# Altium PCB Copy of GameBoard_V1I1_083018.PcbDoc (part 15 of 21) (continued)
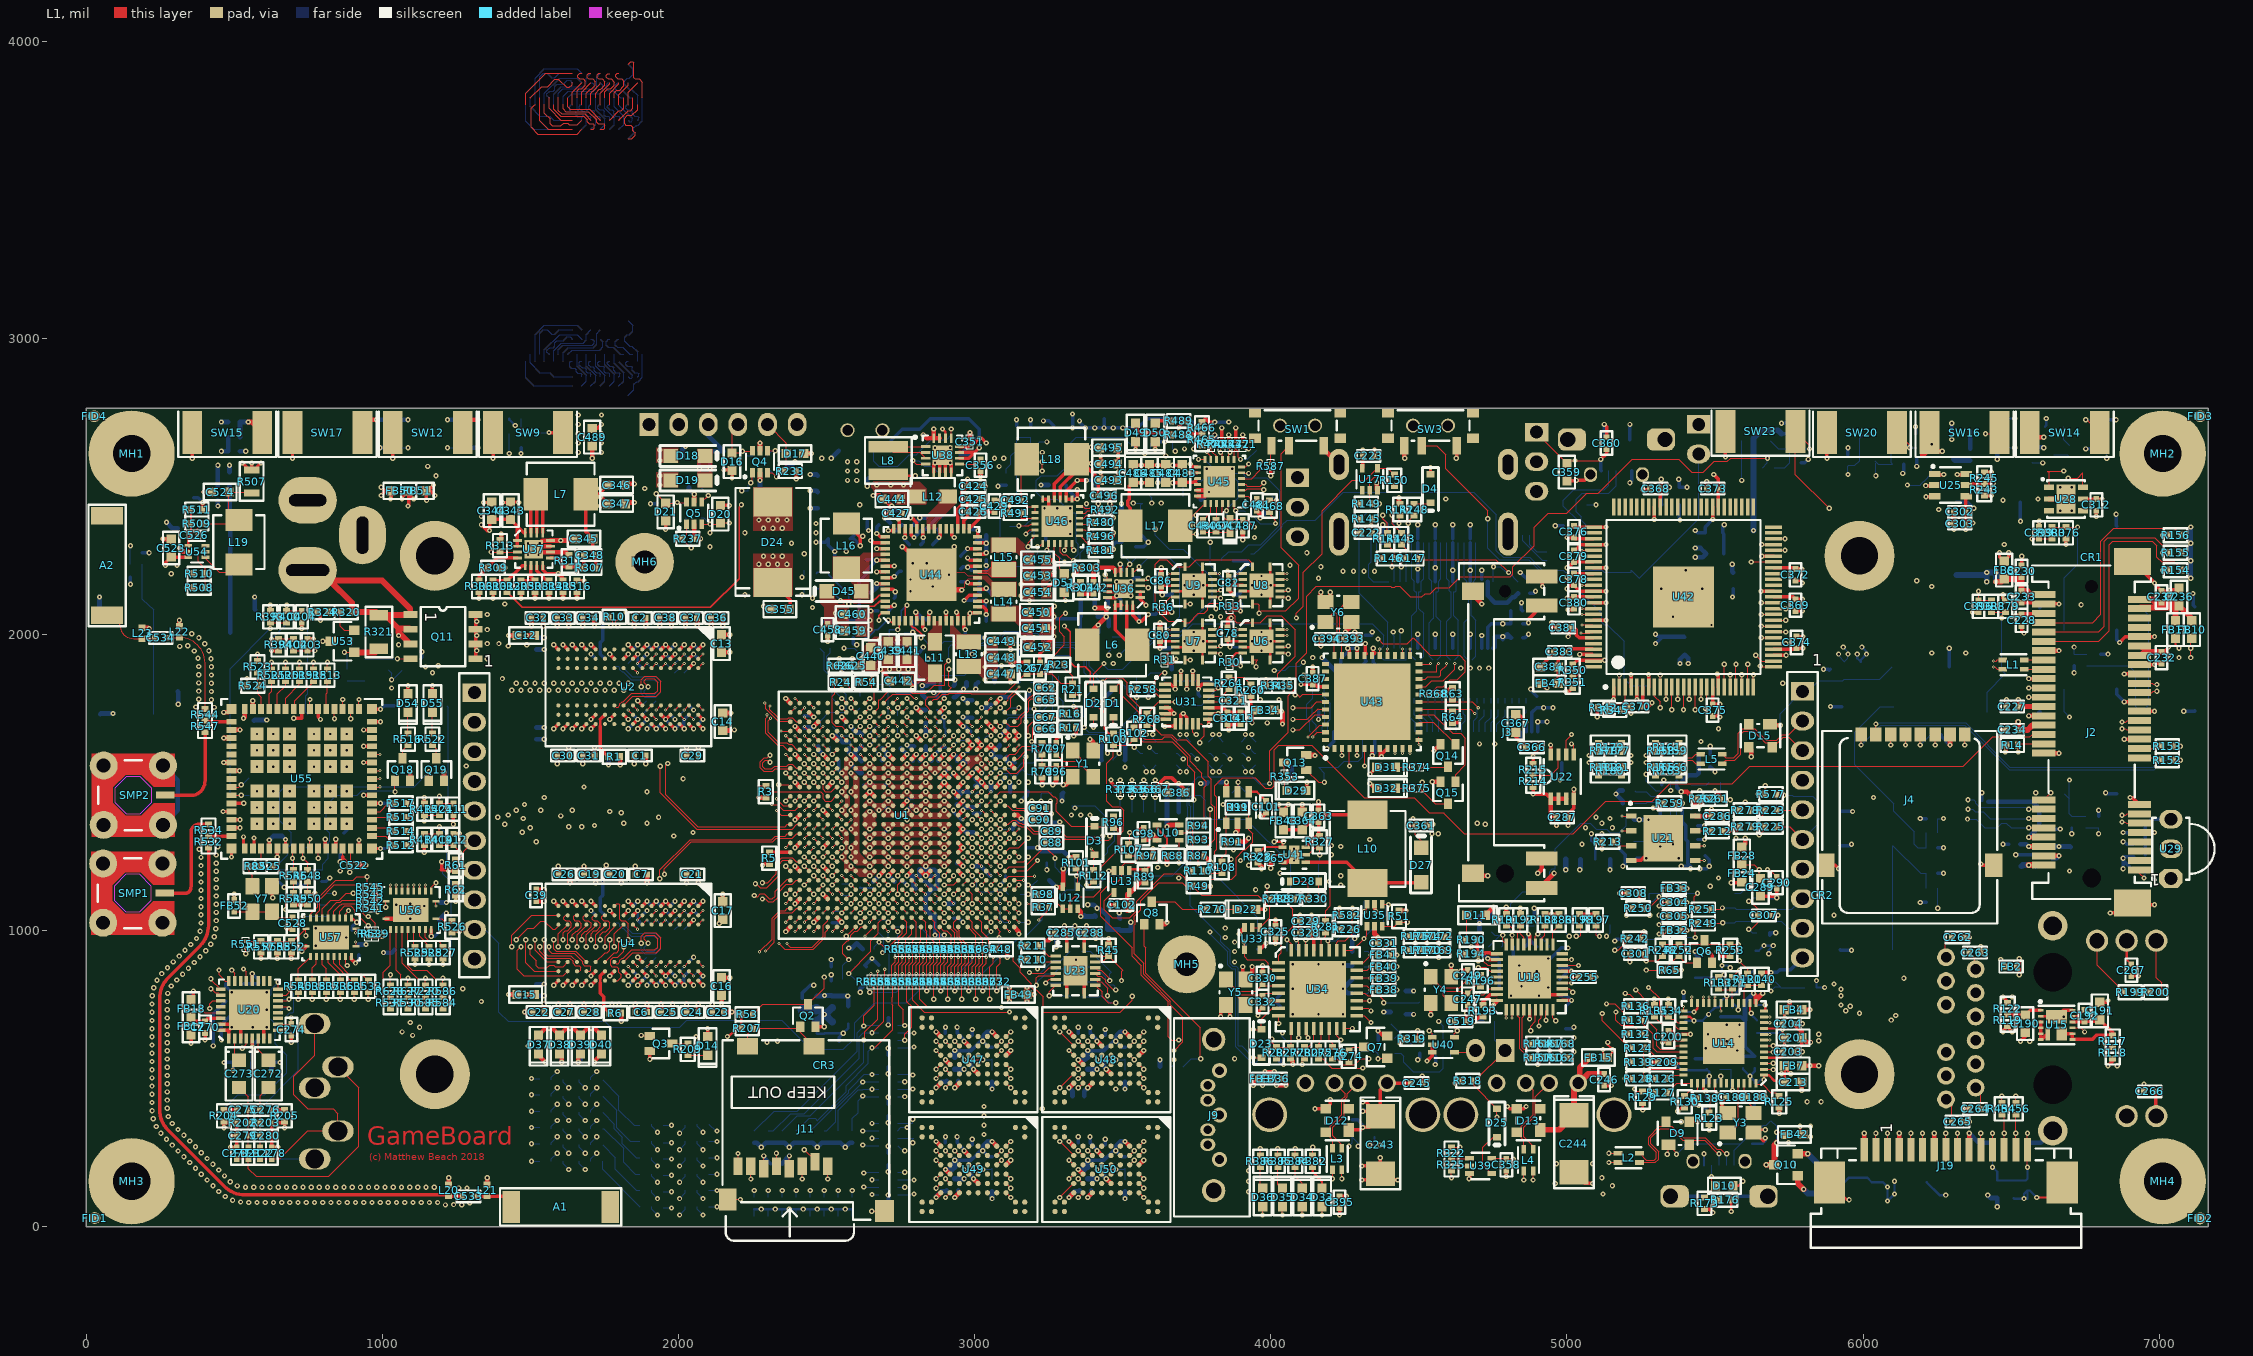
[diagram p0: L1 view]
## Nets (pads, with @x,y where several pads share a name; then routed paths per layer and width w, separated by ;. In a path a pad name is that pad's centre, name@x,y a point inside that pad or via, vN(x,y) a via of type N, cw(c..) or ccw(c..) an arc to the next point about the centre after c; other vN are vias at no path point) (continued)
LCD_B3: LCD1.24 R334.2 | length 88.9
  L12 w3.66: R334.2@4413.39,1745.47 4413.39,1736.22 4448.82,1700.79 LCD1.24@4448.82,1671.26
LCD_B4: LCD1.25 R335.2 | length 90.5
  L12 w3.66: R335.2@4389.76,1745.47 4389.76,1736.22 4429.13,1696.85 LCD1.25@4429.13,1671.26
LCD_B5: LCD1.26 R336.2 | length 92.2
  L12 w3.66: R336.2@4366.14,1745.47 4366.14,1736.22 4409.45,1692.91 LCD1.26@4409.45,1671.26
LCD_B6: LCD1.27 R337.2 | length 93.8
  L12 w3.66: R337.2@4342.52,1745.47 4342.52,1740.16 4389.76,1692.91 LCD1.27@4389.76,1671.26
LCD_B7: LCD1.28 R338.2 | length 95.4
  L12 w3.66: R338.2@4318.9,1745.47 4370.08,1694.29 LCD1.28@4370.08,1671.26
LCD_CTP_INT#: CTP1.5 R365.1 R371.2 | length 87.4
  L1 w3.94: v1(3531.5,1448.82) R365.1@3531.5,1465.94
  L12 w3.94: CTP1.5@3531.5,1399.61 R371.2@3531.5,1469.88
LCD_CTP_RST#: CTP1.6 R372.2 R373.2 | length 87.4
  L1 w3.94: v1(3492.13,1448.82) R373.2@3492.13,1465.94
  L12 w3.94: CTP1.6@3492.13,1399.61 3492.13,1455.51 R372.2@3492.13,1465.94 R372.2@3492.13,1469.88
LCD_CTP_SCL: CTP1.3 R367.1 R369.2 | length 87.4
  L1 w3.94: v1(3610.24,1448.82) R367.1@3610.24,1465.94
  L12 w3.94: CTP1.3@3610.24,1399.61 3610.24,1455.51 R369.2@3610.24,1469.88
LCD_CTP_SDA: CTP1.4 R366.1 R370.2 | length 87.4
  L1 w3.94: v1@3570.87,1447.44 R366.1@3570.87,1464.57
  L12 w3.94: CTP1.4@3570.87,1399.61 3570.87,1455.51 R370.2@3570.87,1469.88
  other v1: 3570.87,1448.82
LCD_DE: LCD1.34 R361.2 | length 84.4
  L12 w3.66: R361.2@4224.41,1735.04 4224.41,1712.6 4232.28,1704.72 4248.03,1704.72 4251.97,1700.79 LCD1.34@4251.97,1671.26
LCD_G0: LCD1.13 R339.2 | length 77.5
  L12 w3.66: LCD1.13@4665.35,1671.26 4665.35,1708.66 4673.23,1716.54 R339.2@4673.23,1745.47
LCD_G1: LCD1.14 R340.2 | length 82.4
  L12 w3.66: LCD1.14@4645.67,1671.26 4645.67,1695.87 4657.48,1707.68 4657.48,1724.41 4649.61,1732.28 R340.2@4649.61,1745.47
LCD_G2: LCD1.15 R341.2 | length 80.7
  L12 w3.66: LCD1.15@4625.98,1671.26 4625.98,1696.85 4618.11,1704.72 4618.11,1724.41 4625.98,1732.28 R341.2@4625.98,1745.47
LCD_G3: LCD1.16 R343.2 | length 75.8
  L12 w3.66: R343.2@4602.36,1745.47 4602.36,1724.41 4606.3,1720.47 LCD1.16@4606.3,1671.26
LCD_G4: LCD1.17 R344.2 | length 77.5
  L12 w3.66: R344.2@4578.74,1745.47 4578.74,1720.47 4586.61,1712.6 LCD1.17@4586.61,1671.26
LCD_G5: LCD1.18 R346.2 | length 79.1
  L12 w3.66: R346.2@4555.12,1745.47 4555.12,1720.47 4566.93,1708.66 LCD1.18@4566.93,1671.26
LCD_G6: LCD1.19 R347.2 | length 80.7
  L12 w3.66: R347.2@4531.5,1745.47 4531.5,1724.41 4547.24,1708.66 LCD1.19@4547.24,1671.26
LCD_G7: LCD1.20 R349.2 | length 82.4
  L12 w3.66: R349.2@4507.87,1745.47 4507.87,1724.41 4527.56,1704.72 LCD1.20@4527.56,1671.26
LCD_HDMI_CLK_N: U7.12 U42.94 | length 1395.4
  L1 w3.94: U7.12@3803.15,1996.06 3819.88,1996.06 3827.76,2003.94 v3(3834.65,2003.94) ; v3(5047.24,2003.94) 5077.76,2003.94 5081.69,2007.87 5085.63,2003.94 U42.94@5089.57,2007.87
  L3 w3.94: v4(3846.46,2015.75) 3862.2,2031.5 3862.2,2032.48 3875.52,2032.48 3878.47,2035.43 3996.06,2035.43 4055.12,1976.38 4090.55,1976.38 4140.1,2025.93 4357.59,2025.93 4385.8,2054.13 4462.19,2054.13 4463.18,2055.12 4746.83,2055.12 4757.66,2065.94 4796.1,2065.94 4806.93,2055.12 4845.88,2055.12 4846.86,2054.13 4954.93,2054.13 4977.57,2031.5 5019.69,2031.5 v4(5031.5,2019.68)
  L2 w3.94: v3(3834.65,2003.94) v4(3846.46,2015.75) ; v4(5031.5,2019.68) v3(5047.24,2003.94)
LCD_HDMI_CLK_P: U7.13 U42.93 | length 1383.6
  L1 w3.94: U7.13@3803.15,2015.75 3805.12,2017.72 3820.87,2017.72 v3(3834.65,2031.5) ; v3(5051.18,2031.5) 5085.63,2031.5 U42.93@5089.57,2027.56
  L3 w3.94: v4@3850.39,2043.31 3857.07,2043.31 3860.03,2040.35 3872.26,2040.35 3875.21,2043.31 3999.32,2043.31 4058.38,1984.25 4087.29,1984.25 4136.84,2033.8 4354.33,2033.8 4382.54,2062.01 4458.93,2062.01 4459.91,2062.99 4743.57,2062.99 4754.4,2073.82 4799.36,2073.82 4810.19,2062.99 4849.14,2062.99 4850.13,2062.01 4958.2,2062.01 4980.83,2039.37 5027.56,2039.37 v4(5035.43,2047.24)
  L2 w3.94: v3(3834.65,2031.5) v4(3846.46,2043.31) ; v4(5035.43,2047.24) v3(5051.18,2031.5)
LCD_HDMI_D0_N: U6.12 U42.91 | length 1203
  L1 w3.94: U6.12@4031.5,1996.06 v3(4055.12,1996.06) ; v3(5051.18,2066.93) U42.91@5089.57,2066.93
  L3 w3.94: v4(4074.8,1996.06) 4129.92,2051.18 4333.97,2051.18 4349.72,2066.93 4365.47,2082.68 4477.33,2082.68 4506.12,2111.47 4552.41,2111.47 4574.8,2133.86 4732.28,2133.86 4754.92,2111.22 4830.5,2111.22 4840.34,2121.06 4852.57,2121.06 4875.21,2098.43 4948.82,2098.43 4992.13,2055.12 5027.44,2055.12 5030.79,2058.46 5040.08,2058.46 5043.43,2055.12 5050.51,2055.12 5062.32,2066.93 v4(5070.87,2066.93)
  L2 w3.94: v3(4055.12,1996.06) v4(4074.8,1996.06) ; v3(5051.18,2066.93) v4(5070.87,2066.93)
LCD_HDMI_D0_P: U6.13 U42.90 | length 1203
  L1 w3.94: U6.13@4031.5,2015.75 v3(4055.12,2015.75) ; v3(5051.18,2086.61) U42.90@5089.57,2086.61
  L3 w3.94: v4(4074.8,2015.75) 4083.35,2015.75 4126.66,2059.06 4330.71,2059.06 4362.2,2090.55 4474.07,2090.55 4502.86,2119.34 4549.15,2119.34 4571.54,2141.73 4735.55,2141.73 4758.18,2119.09 4827.24,2119.09 4837.08,2128.94 4855.83,2128.94 4878.47,2106.3 4952.08,2106.3 4988.86,2069.52 4995.39,2062.99 5024.18,2062.99 5027.52,2066.34 5043.34,2066.34 5046.69,2062.99 5047.24,2062.99 v4(5070.87,2086.61)
  L2 w3.94: v3(4055.12,2015.75) v4(4074.8,2015.75) ; v3(5051.18,2086.61) v4(5070.87,2086.61)
LCD_HDMI_D1_N: U9.12 U42.86 | length 1506.9
  L1 w3.94: U9.12@3803.15,2185.04 v3(3826.77,2185.04) ; v3(5051.18,2165.35) U42.86@5089.57,2165.35
  L3 w3.94: v4(3807.09,2185.04) 3807.09,2188.86 3818.31,2200.08 3818.31,2212.68 3836.28,2230.65 4001.63,2230.65 4078.74,2153.54 4142.72,2089.57 4329.05,2089.57 4341.84,2102.36 4353.66,2114.17 4428.46,2114.17 4484.25,2169.97 4484.25,2173.23 4782.79,2173.23 4794.6,2185.04 4869.4,2185.04 4875.65,2191.28 4957.65,2191.28 4979.64,2169.29 5066.93,2169.29 v4(5070.87,2165.35)
  L2 w3.94: v4(3807.09,2185.04) v3(3826.77,2185.04) ; v3(5051.18,2165.35) v4(5070.87,2165.35)
LCD_HDMI_D1_P: U9.13 U42.85 | length 1500.5
  L1 w3.94: U9.13@3803.15,2204.72 v3(3826.77,2204.72) ; v3(5051.18,2185.04) U42.85@5089.57,2185.04
  L3 w3.94: v4(3807.09,2204.72) 3807.09,2212.6 3833.01,2238.53 4004.89,2238.53 4145.98,2097.44 4325.79,2097.44 4350.39,2122.05 4425.2,2122.05 4476.38,2173.23 4476.38,2176.49 4480.99,2181.1 4779.53,2181.1 4791.34,2192.91 4866.14,2192.91 4872.38,2199.16 4960.91,2199.16 4979.64,2180.43 ; 4976.38,2177.17 5062.99,2177.17 v4(5070.87,2185.04)
  L2 w3.94: v4(3807.09,2204.72) v3(3826.77,2204.72) ; v3(5051.18,2185.04) v4(5070.87,2185.04)
LCD_HDMI_D2_N: U8.12 U42.81 | length 1285.9
  L1 w3.94: U8.12@4031.5,2185.04 v3(4055.12,2185.04) ; v3(5051.18,2263.78) U42.81@5089.57,2263.78
  L3 w3.94: v4(4074.8,2185.04) 4083.35,2185.04 4154.22,2114.17 4302.47,2114.17 4318.22,2129.92 4330.03,2141.73 4361.53,2141.73 4398.62,2178.83 4398.62,2179.34 4409.45,2190.17 4409.45,2244.09 4472.44,2307.09 4692.91,2307.09 4704.72,2295.28 4720.47,2295.28 4783.46,2232.28 4845.78,2232.28 4878.91,2265.41 4975.07,2265.41 4977.38,2267.72 5066.93,2267.72 v4(5070.87,2263.78)
  L2 w3.94: v3(4055.12,2185.04) v4(4074.8,2185.04) ; v3(5051.18,2263.78) v4(5070.87,2263.78)
LCD_HDMI_D2_P: U8.13 U42.80 | length 1292.4
  L1 w3.94: U8.13@4031.5,2204.72 v3(4055.12,2204.72) ; v3(5051.18,2283.46) U42.80@5089.57,2283.46
  L3 w3.94: v4(4074.8,2204.72) 4157.48,2122.05 4299.21,2122.05 4326.77,2149.61 4358.27,2149.61 4390.75,2182.09 4390.75,2182.61 4401.57,2193.43 4401.57,2247.36 4469.18,2314.96 4696.18,2314.96 4707.99,2303.15 4723.73,2303.15 4786.73,2240.16 4842.52,2240.16 4875.65,2273.28 4971.81,2273.28 4974.12,2275.59 4988.19,2275.59 5062.99,2275.59 v4(5070.87,2283.46)
  L2 w3.94: v3(4055.12,2204.72) v4(4074.8,2204.72) ; v3(5051.18,2283.46) v4(5070.87,2283.46)
LCD_HSYNC: LCD1.32 R363.2 | length 71.9
  L12 w3.66: R363.2@4271.65,1735.04 4271.65,1716.54 4291.34,1696.85 LCD1.32@4291.34,1671.26
LCD_PCLK: LCD1.30 R362.2 | length 87.7
  L12 w3.66: R362.2@4295.28,1735.04 4295.28,1720.47 4311.02,1704.72 4326.77,1704.72 4330.71,1700.79 LCD1.30@4330.71,1671.26
LCD_R0: LCD1.5 R352.2 | length 90.5
  L12 w3.66: LCD1.5@4822.83,1671.26 4822.83,1696.85 4862.21,1736.22 R352.2@4862.21,1745.47
LCD_R1: LCD1.6 R354.2 | length 88.9
  L12 w3.66: LCD1.6@4803.15,1671.26 4803.15,1696.85 4838.58,1732.28 R354.2@4838.58,1745.47
LCD_R2: LCD1.7 R355.2 | length 87.3
  L12 w3.66: LCD1.7@4783.46,1671.26 4783.46,1696.85 4814.96,1728.35 R355.2@4814.96,1745.47
LCD_R3: LCD1.8 R356.2 | length 85.6
  L12 w3.66: LCD1.8@4763.78,1671.26 4763.78,1696.85 4791.34,1724.41 R356.2@4791.34,1745.47
LCD_R4: LCD1.9 R357.2 | length 84
  L12 w3.66: LCD1.9@4744.09,1671.26 4744.09,1700.79 4767.72,1724.41 R357.2@4767.72,1745.47
LCD_R5: LCD1.10 R358.2 | length 82.4
  L12 w3.66: LCD1.10@4724.41,1671.26 4724.41,1700.79 4744.1,1720.47 R358.2@4744.1,1745.47
LCD_R6: LCD1.11 R359.2 | length 80.7
  L12 w3.66: LCD1.11@4704.72,1671.26 4704.72,1708.66 4720.47,1724.41 R359.2@4720.47,1745.47
LCD_R7: LCD1.12 R360.2 | length 79.1
  L12 w3.66: LCD1.12@4685.04,1671.26 4685.04,1708.66 4696.85,1720.47 R360.2@4696.85,1745.47
LCD_SHUTOFF#: R348.1 R589.1 SW3.2 | length 1294.1
  L1 w3.94: SW3.2@4509.84,2635.83 4561.02,2635.83 4590.55,2606.3 4590.55,2559.06 4732.28,2417.32 v1(4732.28,2389.76)
  L12 w3.94: v1(4732.28,2389.76) 4732.28,2291.34 4771.65,2251.97 4870.75,2251.97 4914.06,2208.66 4940.94,2208.66 4972.44,2177.17 5011.81,2177.17 5117.13,2071.85 5117.13,2041.13 5125.77,2032.48 5136.81,2032.48 5192.91,1976.38 5192.91,1850.39 R589.1@5216.54,1826.77 R348.1@5275.59,1826.77
LCD_VSYNC: LCD1.33 R364.2 | length 73.6
  L12 w3.66: R364.2@4248.03,1735.04 4248.03,1724.41 4271.65,1700.79 LCD1.33@4271.65,1671.26
LCD_XTALIN: C393.2 U43.32 Y6.3 | length 209.1
  L1 w3.66: U43.32@4240.16,1929.13 4240.16,1996.06 4232.28,2003.94 4232.28,2086.61 4253.94,2108.27 Y6.3@4271.65,2108.27
LCD_XTALOUT: C394.2 U43.33 Y6.1 | length 201.8
  L1 w3.66: Y6.1@4185.04,2041.34 4185.04,2047.24 4212.6,2074.8 4216.54,2074.8 4224.41,2066.93 4224.41,2003.94 4214.57,1994.09 U43.33@4214.57,1929.13
LED1: R121.1 R133.1 U14.17 | length 91.3
  L1 w3.94: R133.1@5511.81,799.21 5559.06,799.21 U14.17@5559.06,755.12
LED2: R120.1 R140.2 U14.15 | length 112
  L1 w3.94: U14.15@5598.43,755.12 5598.43,803.15 R120.1@5610.24,814.96 R140.2@5657.48,814.96
LED_A: C361.1 C362.1 D27.1 LCD1.2 | length 936.3
  L1 w3.94: v1(4464.57,1350.39) 4468.5,1354.33 C361.1@4488.19,1354.33 ; v1(4480.31,1377.95) 4488.19,1370.08 C361.1@4488.19,1354.33 ; D27.1@4507.87,1278.54 4507.87,1303.15 4488.19,1322.83 C361.1@4488.19,1354.33
  L7 (PWR) w3.94: v1(4480.31,1377.95) 4487.2,1377.95 4706.69,1597.44 4850.39,1597.44 4952.76,1699.8 v1(4952.76,1751.97)
  L12 w11.81: LCD1.2@4881.89,1671.26 4881.89,1736.22 C362.1@4897.64,1751.97 v1(4921.26,1751.97) v1(4952.76,1751.97)
LED_K: LCD1.1 R328.2 U41.1 | length 1293.5
  L1 w7.87: R328.2@3956.69,1267.72 3966.54,1267.72 3980.31,1281.5 U41.1@4039.57,1281.5 4039.57,1295.47 v1(4043.31,1299.21) v1(4011.81,1299.21)
  L7 (PWR) w7.87: v1(4011.81,1299.21) 4173.23,1299.21 4562.01,1687.99 4869.14,1687.99 4885.87,1704.72 v1(4901.57,1704.72) v1(4933.07,1704.72)
  L12 w11.81: LCD1.1@4901.57,1671.26 v1(4901.57,1704.72) v1(4933.07,1704.72)
LED_MPCIE_WLAN: J2.44 R155.1 | length 786.2
  L1 w3.94: J2.44@6610.24,2007.87 6795.28,2007.87 6814.96,2027.56 6814.96,2314.96 6826.77,2326.77 6984.25,2326.77 7007.87,2303.15 7047.24,2303.15 R155.1@7074.8,2275.59
LED_MPCIE_WPAN: J2.46 R156.1 | length 751.7
  L1 w3.94: J2.46@6610.24,2039.37 6775.59,2039.37 6803.15,2066.93 6803.15,2314.96 6846.46,2358.27 7051.18,2358.27 R156.1@7074.8,2334.65
LED_MPCIE_WWAN: J2.42 R154.1 | length 841.6
  L1 w3.94: J2.42@6610.24,1976.38 6795.28,1976.38 6830.71,2011.81 6830.71,2303.15 6842.52,2314.96 6976.38,2314.96 6992.13,2299.21 6992.13,2259.84 7007.87,2244.09 7051.18,2244.09 7074.8,2220.47 R154.1@7074.8,2216.54
LED_SW: D27.2 L10.2 U41.4 | length 419.6
  L1 w11.81: U41.4@4117.91,1230.31 4257.05,1230.31 L10.2@4326.77,1160.59 4506.06,1160.59 D27.2@4507.87,1162.4
"LOCAL_PWR / NON_REM0": R190.2 R194.2 U18.28 | length 116.6
  L1 w11.81: R190.2@4696.85,968.5 R194.2@4696.85,921.26 4721.58,921.26 4724.54,924.21 4740.03,924.21 4742.98,921.26 U18.28@4763.78,921.26
LVDS0_CLK_N: R462.1 U1.V4 | length 1552.2
  L1 w3.66: U1.V4@2598.43,1673.23 v2(2614.17,1688.98)
  L10 w3.94: v2(2614.17,1688.98) 2614.17,1699.59 2599.41,1714.36 2599.41,1726.59 2606.3,1733.48 2606.3,1748.71 2602.36,1752.64 2602.36,1767.04 2606.3,1770.98 2606.3,1776.11 2684.52,1854.33 2806.57,1854.33 2845.78,1854.33 2875.77,1824.34 2935.25,1824.34 2948.51,1837.6 2971.98,1837.6 2985.24,1824.34 2985.24,1813.98 3002.95,1796.26 3028.23,1796.26 3038.08,1806.1 3132.87,1806.1 3161.42,1834.65 3400.9,1834.65 3404.84,1830.71 3420.58,1814.96 3498.81,1814.96 3541.13,1772.64 3581.02,1772.64 3597.75,1755.91 3743.42,1755.91 3769.35,1729.98 3793.13,1729.98 3825.79,1697.32 v1(3825.79,1661.42)
  L12 w3.94: v1(3825.79,1661.42) 3825.79,1650.59 R462.1@3838.58,1637.8
LVDS0_CLK_P: R464.1 U1.V3 | length 1485.7
  L1 w3.66: U1.V3@2598.43,1704.73 v2(2614.17,1720.47)
  L10 w3.94: v2(2614.17,1720.47) 2614.17,1772.85 2687.78,1846.46 2842.52,1846.46 2872.51,1816.46 2938.51,1816.46 2951.77,1829.72 2968.71,1829.72 2977.36,1821.08 2977.36,1810.71 2999.69,1788.39 3031.5,1788.39 3041.34,1798.23 3136.14,1798.23 3164.68,1826.77 3397.64,1826.77 3417.32,1807.09 3495.54,1807.09 3537.87,1764.76 3577.76,1764.76 3594.49,1748.03 3740.16,1748.03 3766.09,1722.1 3789.86,1722.1 3814.96,1697.01 3814.96,1672.24 v1(3804.13,1661.42)
  L12 w3.94: R464.1@3791.34,1637.8 3804.13,1650.59 v1(3804.13,1661.42)
LVDS0_CLK_R_N: J19.11 R461.2 R462.2 | length 4342.1
  L1 w3.94: J19.11@6397.64,259.84 v1(6397.64,314.96)
  L3 w3.94: v1(3862.2,1578.74) 3878.94,1562.01 3959.03,1562.01 3972.03,1549 4250.98,1549 4259.63,1540.35 4271.86,1540.35 4280.51,1549 4280.51,1555.43 4314.96,1589.88 4314.96,1617.43 4332.76,1635.24 4515.78,1635.24 4527.56,1623.46 4527.56,1610.41 4526.97,1609.82 4526.97,1595.08 4708.66,1413.39 5058.38,1413.39 5058.38,1415.97 5067.6,1425.2 5080.65,1425.2 5085.26,1420.58 5152.87,1420.58 5160.07,1413.39 5219.8,1413.39 5228.35,1404.84 5228.35,1346.46 5263.78,1311.02 5345.94,1311.02 5348.89,1313.98 5367.64,1313.98 5370.6,1311.02 5401.57,1311.02 5425.2,1287.4 5487.51,1287.4 5558.38,1216.54 5593.81,1216.54 5652.87,1157.48 5881.21,1157.48 5889.09,1149.61 5933.07,1149.61 6062.32,1020.36 6384.48,1020.36 6440.95,963.89 6440.95,744.09 6504.92,680.12 6513.31,680.12 6521.96,671.47 6579.82,671.47 6672.55,578.74 6692.24,578.74 6732.28,538.69 6732.28,534.2 6740.16,526.32 6740.16,311.7 6664.68,236.22 6433.75,236.22 6429.13,240.83 6429.13,248.71 6405.51,272.33 6405.51,307.09 v1(6397.64,314.96)
  L12 w3.94: R461.2@3838.58,1598.43 3842.52,1598.43 v1(3862.2,1578.74)
LVDS0_CLK_R_P: J19.12 R463.2 R464.2 | length 4363.5
  L1 w3.94: J19.12@6437.01,259.84 v1(6437.01,314.96)
  L3 w3.94: v1(3814.96,1578.74) 3839.57,1554.13 3955.77,1554.13 3968.77,1541.13 4247.72,1541.13 4256.37,1532.48 4275.12,1532.48 4288.39,1545.74 4288.39,1552.17 4322.83,1586.61 4322.83,1614.17 4336.02,1627.36 4512.52,1627.36 4519.69,1620.2 4519.69,1613.68 4519.09,1613.09 4519.09,1591.82 4705.4,1405.51 5063.67,1405.51 5066.25,1408.1 5066.25,1412.71 5070.87,1417.32 5077.39,1417.32 5082,1412.71 5149.61,1412.71 5156.8,1405.51 5216.54,1405.51 5220.47,1401.57 5220.47,1343.2 5228.35,1335.32 5256.58,1307.09 5260.52,1303.15 5349.2,1303.15 5352.15,1306.1 5364.38,1306.1 5367.34,1303.15 5398.31,1303.15 5421.94,1279.53 5484.25,1279.53 5555.12,1208.66 5590.55,1208.66 5649.61,1149.61 5877.95,1149.61 5885.83,1141.73 5929.81,1141.73 6059.06,1012.49 6381.21,1012.49 6433.07,960.63 6433.07,740.83 6501.66,672.24 6510.05,672.24 6518.7,663.6 6576.56,663.6 6669.29,570.87 6688.98,570.87 6724.41,535.43 6724.41,530.94 6732.28,523.06 6732.28,314.96 6661.42,244.09 6437.01,244.09 6437.01,251.97 6413.39,275.59 6413.39,295.28 6433.07,314.96 v1(6437.01,314.96)
  L12 w3.94: R463.2@3791.34,1598.43 3795.28,1598.43 v1(3814.96,1578.74)
LVDS0_TX0_N: R444.1 U1.U2 | length 1218.1
  L1 w3.66: U1.U2@2629.92,1736.22 v2(2645.67,1751.97)
  L10 w3.94: v2(2645.67,1751.97) 2648.93,1751.97 2700.11,1803.15 2772.85,1803.15 2787.61,1788.39 2799.21,1788.39 2870.08,1717.52 2870.08,1712.6 2885.83,1696.85 2908.77,1696.85 2921.26,1709.34 2921.26,1748.03 2934.06,1760.83 2985.24,1760.83 2991.14,1766.73 3040.35,1766.73 3063.98,1743.11 3063.98,1742.59 3077.24,1729.33 3098.73,1729.33 3144.99,1775.59 3366.14,1775.59 3385.83,1755.91 3496.06,1755.91 3519.01,1732.96 3551.18,1732.96 3586.61,1697.53 3586.61,1668.31 v1(3579.72,1661.42)
  L12 w3.94: R444.1@3566.93,1637.8 3579.72,1650.59 v1(3579.72,1661.42)
LVDS0_TX0_P: R446.1 U1.U1 | length 1221.4
  L1 w3.66: U1.U1@2629.92,1767.72 v2(2645.67,1783.47)
  L10 w3.94: v2(2645.67,1783.47) 2669.29,1783.47 2696.85,1811.02 2776.11,1811.02 2790.87,1796.26 2802.47,1796.26 2877.95,1720.78 2877.95,1715.86 2889.09,1704.72 2905.51,1704.72 2913.39,1712.6 2913.39,1751.29 2923.24,1761.15 2930.79,1768.7 2981.97,1768.7 2987.88,1774.61 3043.62,1774.61 3049.52,1768.7 3071.85,1746.37 3071.85,1745.85 3080.5,1737.2 3095.47,1737.2 3141.73,1783.46 3369.4,1783.46 3389.09,1763.78 3499.32,1763.78 3522.27,1740.83 3554.44,1740.83 3594.49,1700.79 3594.49,1668.31 v1(3601.38,1661.42)
  L12 w3.94: v1(3601.38,1661.42) 3601.38,1650.59 R446.1@3614.17,1637.8
LVDS0_TX1_N: R448.1 U1.U4 | length 1300.2
  L1 w3.66: U1.U4@2629.92,1673.23 v2(2645.67,1688.98)
  L10 w3.94: v2(2645.67,1688.98) 2665.35,1708.66 2676.49,1708.66 2693.9,1726.07 2693.9,1726.59 2702.55,1735.24 2717.52,1735.24 2728.35,1724.41 2754.71,1724.41 2765.54,1735.24 2783.74,1735.24 2830.71,1688.27 2830.71,1685.04 2841.96,1673.78 2933.63,1673.78 2944.88,1685.04 2944.88,1729.02 2952.08,1736.22 2969.18,1736.22 3000.68,1704.72 3125.31,1704.72 3148.93,1728.35 3184.36,1728.35 3202.42,1710.29 3229.86,1710.29 3231.57,1712.01 3240.87,1712.01 3242.58,1710.29 3475.42,1710.29 3509.42,1676.29 3527.56,1676.29 3563.38,1640.47 3568.65,1640.47 3570.35,1638.78 3571.83,1638.78 3572.81,1637.8 3692.24,1637.8 3701.77,1647.33 3701.77,1647.64 v1(3715.55,1661.42)
  L12 w3.94: v1(3715.55,1661.42) 3715.55,1650.59 R448.1@3728.35,1637.8
LVDS0_TX1_P: R450.1 U1.U3 | length 1276.8
  L1 w3.66: U1.U3@2629.92,1704.73 v2(2645.67,1720.47)
  L10 w3.94: v2(2645.67,1720.47) 2653.68,1728.48 2685.18,1728.48 2686.02,1729.33 2686.02,1729.85 2699.28,1743.11 2720.78,1743.11 2731.61,1732.28 2751.45,1732.28 2762.28,1743.11 2787,1743.11 2789.31,1740.8 2838.58,1691.53 2838.58,1688.3 ; 2838.58,1685.04 2838.58,1688.3 ; v1(3693.9,1661.42) 3693.9,1650.59 3688.98,1645.67 3576.07,1645.67 3575.09,1646.65 3573.61,1646.65 3571.92,1648.35 3566.64,1648.35 3535.43,1679.56 3535.43,1682.82 3532.17,1682.82 3530.82,1684.17 3512.68,1684.17 3478.68,1718.17 3245.85,1718.17 3244.13,1719.88 3228.31,1719.88 3226.6,1718.17 3205.68,1718.17 3187.63,1736.22 3145.67,1736.22 3122.05,1712.6 3003.94,1712.6 2972.44,1744.09 2948.82,1744.09 2937.01,1732.28 2937.01,1688.3 2930.37,1681.66 2845.23,1681.66 2838.58,1688.3
  L12 w3.94: R450.1@3681.1,1637.8 3693.9,1650.59 v1(3693.9,1661.42)
LVDS0_TX2_N: R455.1 U1.V2 | length 1730.5
  L1 w3.66: v2(2582.68,1751.97) U1.V2@2598.43,1736.22
  L10 w3.94: v2(2582.68,1751.97) 2582.68,1762.59 2597.44,1777.35 2597.44,1787.09 2618.11,1807.76 2618.11,1859.93 2663.69,1905.51 2801.12,1905.51 2804.08,1902.56 2825.27,1902.56 2833.14,1894.68 2851.9,1894.68 2862.72,1905.51 2877.95,1905.51 2889.76,1893.7 2889.76,1868.45 2906.19,1852.02 2915.54,1852.02 2922.76,1859.25 2929.65,1866.14 2976.38,1866.14 3019.69,1822.83 3065.46,1822.83 3095.98,1853.35 3548.9,1853.35 3614.85,1787.4 3769.59,1787.4 3798.52,1758.47 3859.64,1758.47 3874.02,1744.09 3874.02,1665.89 3893.25,1646.65 3921.26,1646.65 v1(3936.02,1661.42)
  L12 w3.94: v1(3936.02,1661.42) 3936.02,1650.59 R455.1@3948.82,1637.8
LVDS0_TX2_P: R460.1 U1.V1 | length 1681.5
  L1 w3.66: v2(2582.68,1783.47) U1.V1@2598.43,1767.72
  L10 w3.94: v2(2582.68,1783.47) 2610.24,1811.02 2610.24,1863.19 2618.11,1871.06 2660.43,1913.39 2825.58,1913.39 2836.4,1902.56 2848.63,1902.56 2859.46,1913.39 2881.21,1913.39 2897.64,1896.96 2897.64,1871.71 2909.45,1859.9 2912.27,1859.9 2926.39,1874.02 2979.64,1874.02 3022.95,1830.71 3062.2,1830.71 3092.71,1861.22 3168.98,1861.22 3552.17,1861.22 3594.49,1818.9 3618.11,1795.28 3772.85,1795.28 3801.78,1766.34 3862.9,1766.34 3881.89,1747.36 3881.89,1669.15 3893.7,1657.34 3910.3,1657.34 v1(3914.37,1661.42)
  L12 w3.94: R460.1@3901.57,1637.8 3914.37,1650.59 v1(3914.37,1661.42)
LVDS0_TX3_N: TP42.1 U1.W2 | length 254
  L1 w3.66: v2(2551.18,1751.97) U1.W2@2566.93,1736.22
  L12 w3.94: TP42.1@2476.38,1952.76 2492.13,1937.01 2492.13,1877.95 2519.69,1850.39 2519.69,1783.46 v2(2551.18,1751.97)
LVDS0_TX3_P: TP43.1 U1.W1 | length 217.7
  L1 w3.66: v2(2551.18,1783.47) U1.W1@2566.93,1767.72
  L12 w3.94: TP43.1@2511.81,1952.76 2511.81,1938.29 2500,1926.48 2500,1881.21 2527.56,1853.66 2527.56,1807.09 v2(2551.18,1783.47)
MCU_BTN: C410.1 D43.1 R287.2 R420.1 | length 3594
  L1 w3.66: R287.2@4078.74,1106.3 4102.36,1129.92 v1(4098.43,1133.86)
  L3 w3.66: v1(4098.43,1133.86) 4114.17,1149.61 4166.35,1149.61 4180.98,1134.98 4253.37,1134.98 4279.67,1161.28 4739.42,1161.28 4751.94,1148.76 5129.95,1148.76 5150.34,1169.15 5440.21,1169.15 5459.76,1149.61 v1(5484.25,1149.61)
  L10 w3.66: v1(5484.25,1149.61) 5490.58,1149.61 5494.52,1153.54 5494.52,1161.96 5485.37,1171.11 5485.37,1183.22 5493.94,1191.79 5517.87,1191.79 5520.68,1188.98 5657.48,1188.98 5685.04,1161.42 5846.46,1161.42 5925.33,1240.3 5925.33,1787.54 6133.86,1996.06 6133.86,2421.26 6043.31,2511.81 v1(6043.31,2535.43)
  L12 w3.66: D43.1@6039.37,2585.86 6050.43,2574.8 C410.1@6098.43,2574.8 6094.49,2578.74 R420.1@6094.49,2637.8 ; v1(6043.31,2535.43) D43.1@6043.31,2577.98
MCU_GPIO0: R280.1 U34.12 | length 83
  L1 w3.94: R280.1@4114.17,606.3 4125.98,606.3 4145.67,625.98 U34.12@4145.67,669.29
MCU_GPIO1: R281.1 U34.28 | length 64.8
  L1 w3.94: U34.28@4171.26,933.07 4171.26,966.54 4185.04,980.31 R281.1@4185.04,992.13
MCU_GPIO2: R277.1 R282.1 R283.2 U34.9 | length 195
  L1 w3.94: v1(4003.94,633.86) 4003.94,622.05 R282.1@4019.69,606.3 R277.1@4066.93,606.3 4068.9,608.27 U34.9@4068.9,669.29
  L12 w3.94: v1(4003.94,633.86) 4003.94,606.3 4011.81,598.43 R283.2@4019.69,606.3
MCU_ISPn: R50.1 R273.2 U1.J24 | length 2752.8
  L1 w3.66: U1.J24@2881.89,1043.31 v2(2897.64,1027.56)
  L3 w3.66: v1(2334.65,625.98) 2342.38,633.72 2503.2,633.72 2559.06,577.87 2559.06,314.96 2555.12,311.02 2555.12,299.21 2582.68,271.65 2582.68,251.97 2590.28,244.37 2713.94,244.37 2882.17,412.6 2882.17,416.53 2910.38,444.74 3047.45,444.74 3116.78,375.41 3237.55,375.41 3278.91,416.77 3613.62,416.77 3657.48,460.63 3657.48,547.24 v1(3673.23,562.99)
  L10 w3.66: v1(2334.65,625.98) 2334.78,626.12 2334.78,627.87 2338.51,631.59 2361.09,631.59 2487.78,758.29 2513.13,758.29 2624.92,870.08 2638.79,870.08 2673.23,904.51 2673.23,933.07 2692.91,952.76 2692.91,977.36 2699.8,984.25 2716.54,984.25 2724.41,976.38 2748.03,976.38 2811.02,1039.37 2885.83,1039.37 v2(2897.64,1027.56)
  L12 w3.66: R273.2@3665.35,539.37 3673.23,547.24 v1(3673.23,562.99)
MCU_RSTINn: R49.1 U1.J23 U33.1 U33.2 | length 4012.5
  L1 w3.66: U1.J23@2881.89,1074.8 v2(2897.64,1059.06) ; v1(3673.23,594.49) 3674.23,594.49 3703.6,623.86 3703.6,706.69 3661.28,749.01 3661.28,761.72 3594.03,828.97 3594.13,829.07 3571.14,852.05 3571.14,889.49 3539.37,921.26 3539.37,1018.69 3542.19,1021.5 3542.19,1033.62 3539.37,1036.43 3539.37,1048.11 3560.86,1069.61 3560.86,1101.1 3621.18,1161.42 3700.79,1161.42 3712.6,1149.61 R49.1@3736.22,1149.61 3767.72,1118.11 3956.69,1118.11 3996.06,1078.74 3996.06,1043.31 U33.1@3962.6,1009.84 U33.2@3937.01,1009.84
  L3 w3.66: v1(2299.21,622.05) 2318.48,641.32 2527.97,641.32 2582.68,586.61 2582.68,287.4 2618.11,251.97 2710.79,251.97 2874.57,415.74 2874.57,419.68 2907.23,452.34 3050.6,452.34 3119.93,383.01 3234.4,383.01 3275.76,424.37 3459.8,424.37 3464.57,429.13 3598.43,429.13 3645.67,476.38 3645.67,566.93 v1(3673.23,594.49)
  L10 w3.66: v1(2299.21,622.05) 2314.96,637.8 2325.77,637.8 2328.59,640.61 2359.36,640.61 2484.89,766.15 2486.79,766.15 2487.05,765.89 2509.98,765.89 2620.37,876.28 2620.37,894.16 2652.85,926.64 2652.85,960.1 2684.61,991.85 2715.26,991.85 2740.73,1017.32 2740.73,1026.5 2773.28,1059.06 v2(2897.64,1059.06)
MCU_RSTINn_BUFF: R269.1 R271.1 U33.4 U34.2 | length 245
  L1 w3.94: v1(3909.45,960.63) 3911.42,958.66 U33.4@3911.42,935.04 3912.4,934.06 3912.4,910.43 3921.26,901.57 3980.31,901.57 3992.13,889.76 3992.13,877.95 4004.92,865.16 U34.2@4026.57,865.16
  L12 w3.94: R269.1@3917.32,937.01 3917.32,952.76 v1(3909.45,960.63) 3917.32,968.5 R271.1@3917.32,984.25
MCU_RSTOUTn: R93.1 U34.16 | length 1351.8
  L1 w3.66: U34.16@4248.03,669.29 v1(4275.59,669.29)
  L1 w3.94: R93.1@3775.59,1307.09 3783.46,1307.09 3795.28,1318.9 v1(3795.28,1409.45)
  L10 w3.94: v1(3795.28,1409.45) 3811.7,1409.45 3820.77,1400.38 3879.5,1400.38 3883.65,1404.53 3895.88,1404.53 3900.03,1400.38 3958.24,1400.38 3958.45,1400.59 4087.6,1400.59 4153.54,1334.65 4178.91,1334.65 4194.38,1350.12 4207.2,1350.12 4222.67,1334.65 4255.91,1334.65 4255.91,1313.68 4271.38,1298.2 4271.38,1235.72 4255.91,1220.24 4255.91,1196.98 4258.58,1194.3 4258.58,1184.36 4275.18,1167.77 4275.18,1141.32 4259.7,1125.85 4259.7,987.55 4263.13,984.12 4260.83,981.82 4260.83,963.06 4275.59,948.3 v1(4275.59,669.29)
MCU_RSTOUTn_R: R87.1 R93.2 R94.2 U10.2 | length 157.4
  L1 w3.94: U10.2@3690.94,1330.71 3712.6,1330.71 R94.2@3736.22,1354.33 R93.2@3736.22,1307.09 R87.1@3736.22,1251.97
MCU_SWDIO: TP2.1 U1.P1 U35.3 | length 4230.3
  L1 w3.66: U1.P1@2724.41,1767.72 v3(2740.16,1783.46)
  L1 w3.94: v1(4314.96,1062.99) 4324.8,1072.83 U35.3@4324.8,1088.58
  L3 w3.94: v4(2751.97,1795.28) 2751.97,1811.54 2781.96,1841.54 2792.94,1841.54 2818.9,1867.49 2818.9,1868.17 2858.27,1907.54 2858.27,2061.54 2894.17,2097.44 3033.25,2097.44 3231.97,2097.44 3260.52,2125.98 3282.95,2125.98 3293.77,2136.81 3312.53,2136.81 3323.35,2125.98 3356.24,2125.98 3398.31,2168.06 3398.31,2188.98 3402.61,2188.98 3408.26,2194.63 3416.87,2186.02 3447.06,2186.02 3455.71,2194.67 3465.81,2194.67 3476.84,2205.71 3564.49,2205.71 3610.75,2251.97 3613.5,2251.97 3625.31,2263.78 3668.77,2263.78 3675.66,2270.67 3694.42,2270.67 3701.31,2263.78 4008.97,2263.78 4013.58,2268.39 4041.96,2268.39 4064.75,2245.6 v1(4064.75,2233.27)
  L10 w3.94: v1(4064.75,2233.27) 4064.75,2230.52 4121.06,2174.21 4167.53,2174.21 4170.49,2177.17 4296.11,2177.17 4299.06,2174.21 4308.8,2174.21 4341.28,2141.73 4504.09,2141.73 4514.92,2152.56 4605.37,2152.56 4729.33,2028.6 4729.33,1913.6 4750.98,1891.94 4750.98,1879.71 4742.34,1871.06 4733.94,1871.06 4724.1,1861.22 4633.03,1861.22 4626.14,1854.33 4615.93,1854.33 4612.97,1857.28 4568.13,1857.28 4565.18,1854.33 4464.57,1854.33 4444.88,1874.02 4216.54,1874.02 4196.85,1854.33 4188.86,1854.33 4141.02,1806.5 4138.44,1806.5 4122.05,1790.11 4122.05,1773.68 4105.39,1757.03 4105.39,1752.3 4097.44,1744.35 4097.44,1742.59 4094.49,1739.64 4094.49,1724.93 4097.44,1721.98 4097.44,1703.22 4094.49,1700.27 4094.49,1492.8 4129.61,1457.68 4170.79,1457.68 4184.06,1444.42 4184.06,1433.28 4303.15,1314.19 4303.15,1074.8 v1(4314.96,1062.99)
  L2 w3.94: v3(2740.16,1783.46) v4(2751.97,1795.28)
  L12 w3.94: v1(4314.96,1062.99) TP2.1@4314.96,1098.43